# KiCad board LV_PCB.kicad_pcb
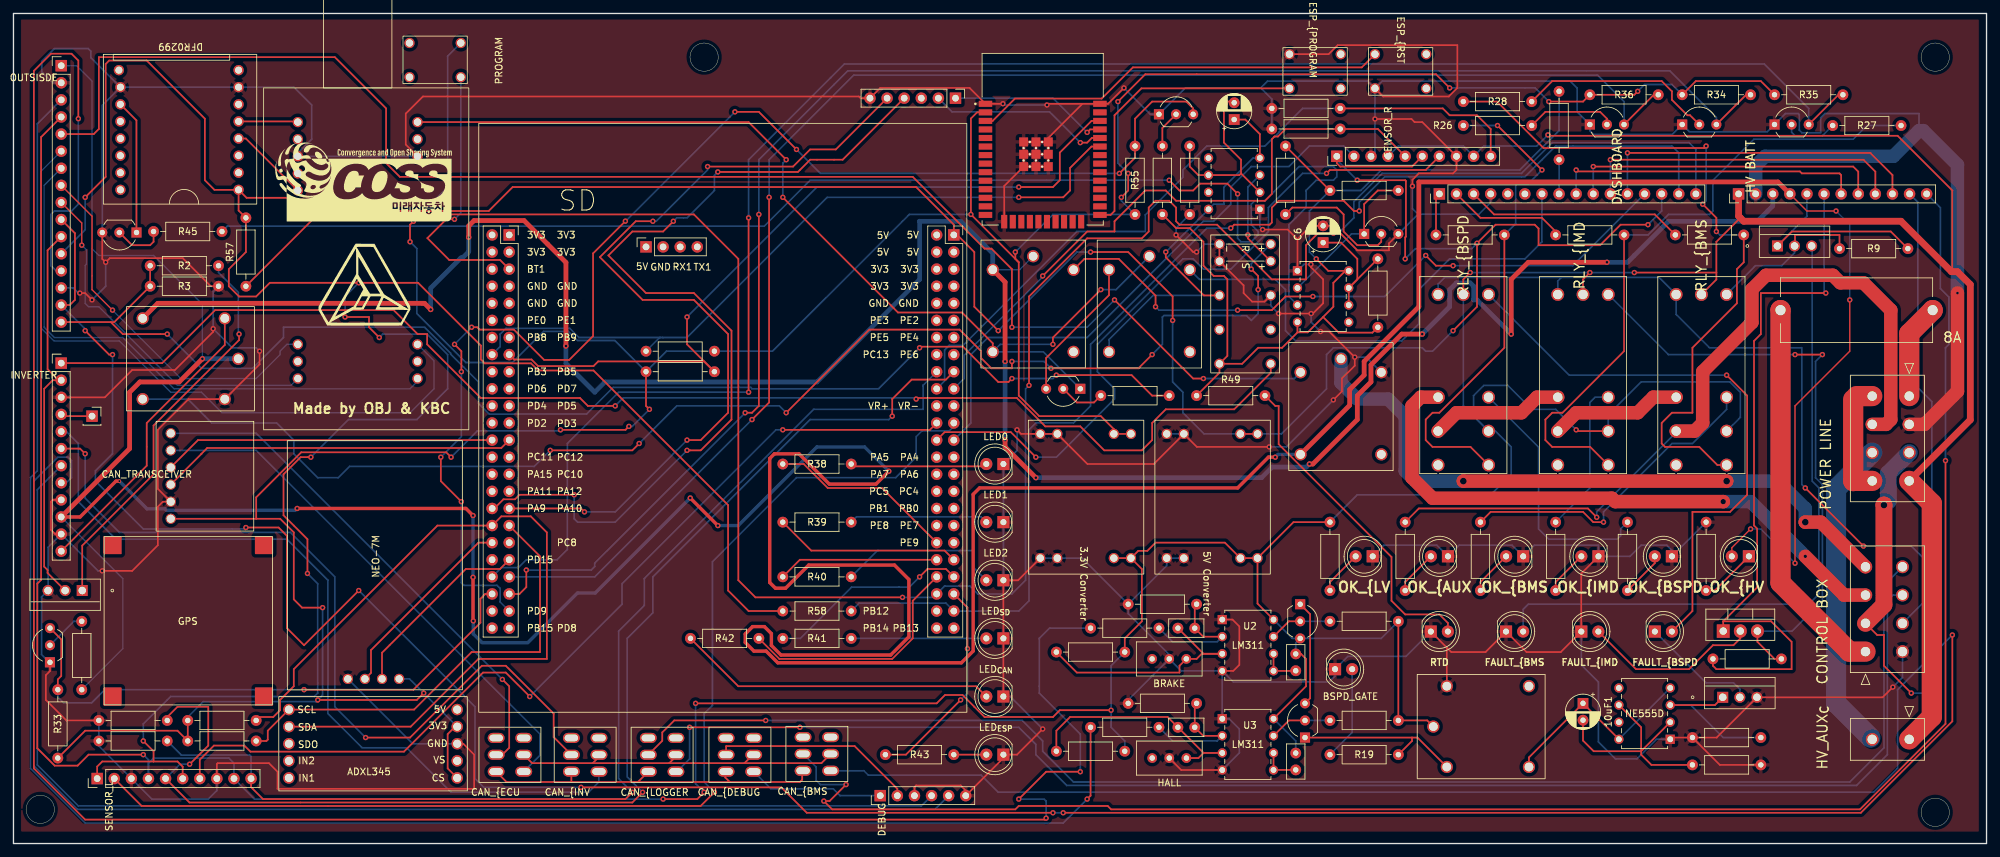
[diagram p0: board, top side]
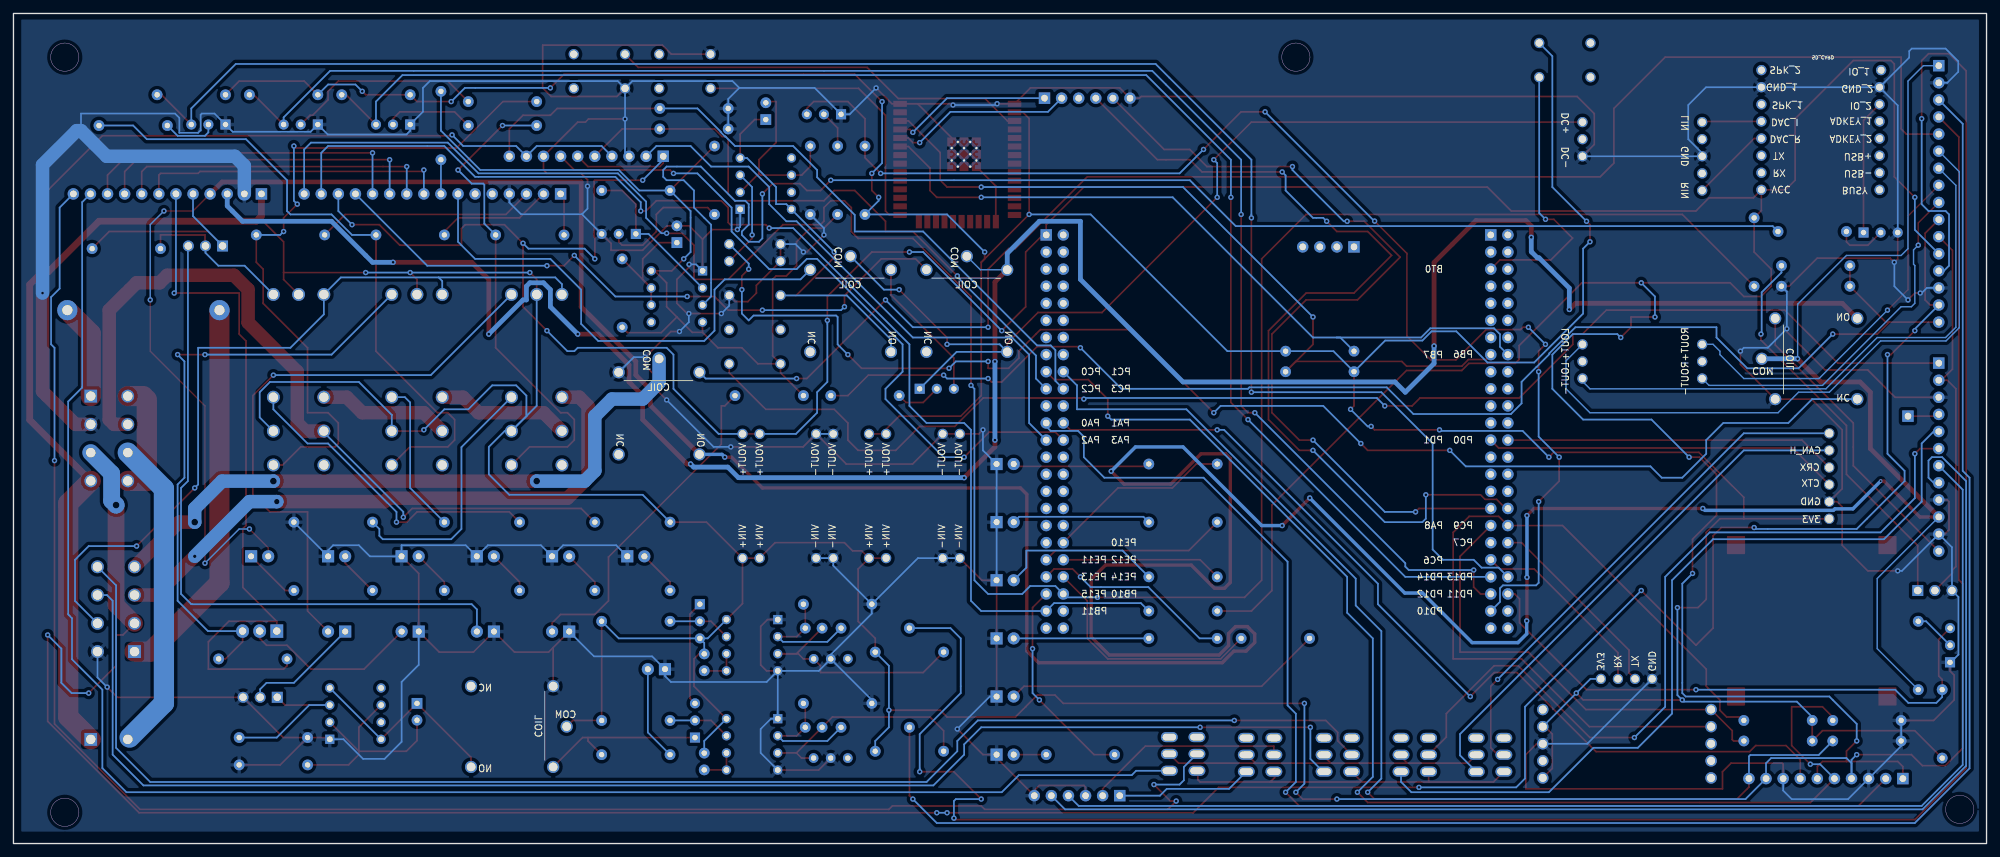
[diagram p1: board, bottom side, seen from below]

Outline 293.1 x 123.33 mm; copper layers: Top, Bottom. Coordinates in mm from the lower left corner of the outline.
Outline path: rectangle 0,123.33 293.1,0 ; circle c3.98,5.08 r2.1 ; circle c102.6,116.84 r2.1 ; circle c285.48,116.84 r2.1 ; circle c285.48,4.64 r2.1

## Placement (name value [footprint] x y rotation side)
8A  8A  [Fuseholder_Cylinder-5x20mm_Stelvio-Kontek_PTF78_Horizontal_Open]  262.5 79.25 0 top
10uF1  10uF  [CP_Radial_D5.0mm_P2.50mm]  233.16 20.83 270 top
ACC  -  [ADXL345]  39.42 7.83 0 top
C1  1nF  [C_Disc_D5.0mm_W2.5mm_P2.50mm]  190.48 28.17 270 top
C2  1nF  [C_Disc_D5.0mm_W2.5mm_P2.50mm]  190.48 13.44 270 top
C3  1nF  [C_Disc_D5.0mm_W2.5mm_P2.50mm]  175.48 32 180 top
C4  1nF  [C_Disc_D5.0mm_W2.5mm_P2.50mm]  175.48 17.27 180 top
C5  100uF  [CP_Radial_D5.0mm_P2.50mm]  181.34 107.57 90 top
C6  100uF  [CP_Radial_D5.0mm_P2.50mm]  194.55 89.28 90 top
CAN_TRANSCEIVER  CAN_TRANSCEIVER  [CAN_TRANSIVER]  20.34 44.14 0 top
D1  OK_{LV  [LED_D5.0mm]  201.92 42.67 180 top
D2  FAULT_{BMS  [LED_D5.0mm]  221.72 31.5 0 top
D3  OK_{AUX  [LED_D5.0mm]  213.09 42.67 180 top
D4  OK_{BMS  [LED_D5.0mm]  224.27 42.67 180 top
D5  FAULT_{IMD  [LED_D5.0mm]  232.9 31.5 0 top
D6  OK_{IMD  [LED_D5.0mm]  235.45 42.67 180 top
D7  FAULT_{BSPD  [LED_D5.0mm]  243.82 31.5 0 top
D8  OK_{BSPD  [LED_D5.0mm]  246.36 42.67 180 top
D9  BSPD_GATE  [LED_D5.0mm]  196.32 25.91 0 top
D10  OK_{HV  [LED_D5.0mm]  257.8 42.67 180 top
D11  LED0  [LED_D5.0mm]  147.06 56.39 180 top
D12  LED1  [LED_D5.0mm]  147.06 47.75 180 top
D13  LED2  [LED_D5.0mm]  147.06 39.12 180 top
D14  LED_{SD}  [LED_D5.0mm]  147.06 30.48 180 top
D15  LED_{CAN}  [LED_D5.0mm]  147.06 21.84 180 top
D16  LED_{ESP}  [LED_D5.0mm]  147.06 13.21 180 top
D17  RTD  [LED_D5.0mm]  210.54 31.5 0 top
DASHBOARD  5267-16AX  [PinHeader_1x16_P2.54mm_Vertical]  211.82 96.52 90 top
DEBUG  5267-06AX  [PinHeader_1x06_P2.54mm_Vertical]  128.76 7.11 90 top
G***  LOGO  [LOGO12121212]  52.56 83.06 0 top
G***#2  LOGO  [auto big]  51.93 98.3 0 top
GPS  GPS  [ANTENA]  13.47 20.59 0 top
HV BATT  5267-12AX  [PinHeader_1x12_P2.54mm_Vertical]  256.26 96.52 90 top
INVERTER  5267-12AX  [PinHeader_1x12_P2.54mm_Vertical]  7.1 71.38 0 top
J3  CONTROL BOX  [5566-08]  275.12 28.52 90 top
J4  POWER LINE  [5566-08]  281.62 66.48 270 top
J6  HV_AUX_{C}  [5566-02A]  281.62 15.48 270 top
J11  Conn_01x06_Male  [PinHeader_1x06_P2.54mm_Vertical]  139.94 110.74 270 top
J12  Conn_01x01_Male  [PinSocket_1x01_P2.54mm_Vertical]  11.67 63.5 0 top
K1  HR702NH-DC12V  [HR702]  208 9.1 0 top
K2  HR702NH-DC12V  [HR702]  188.92 74.94 270 top
K3  HR702NH-DC12V  [HR702]  36.32 80.3 180 top
K4  HR702NH-DC12V  [HR702]  143.2 90.18 270 top
K5  HR702NH-DC12V  [HR702]  160.47 90.18 270 top
K6  HR90L2_12V  [HR90L2]  177.86 90.42 270 top
OUTSISDE  5267-16AX  [PinHeader_1x16_P2.54mm_Vertical]  7.1 115.57 0 top
PROGRAM  PROGRAM  [TACT_SWITCH]  70.95 112.9 90 top
Q1  IRF640  [IRF640NPBF]  10.22 37.59 180 top
Q2  IRF640  [IRF640NPBF]  262.04 88.79 0 top
Q3  IRF9540N  [TO-220-3_Vertical]  253.98 31.57 0 top
Q4  IRF640  [IRF640NPBF]  253.91 21.73 0 top
Q5  2N3904  [TO-92_Inline_Wide]  191.14 35.56 270 top
Q6  2N3904  [TO-92_Inline_Wide]  191.86 15.75 90 top
Q7  2N3904  [TO-92_Inline_Wide]  5.42 26.92 90 top
Q8  2N3904  [TO-92_Inline_Wide]  247.89 106.83 0 top
Q9  2N3904  [TO-92_Inline_Wide]  261.6 106.83 0 top
Q10  2N3904  [TO-92_Inline_Wide]  234.17 106.83 0 top
Q11  2N3904  [TO-92_Inline_Wide]  158.48 67.56 180 top
Q12  2N3904  [TO-92_Inline_Wide]  18.27 90.78 180 top
Q13  2N3904  [TO-92_Inline_Wide]  200.64 90.57 0 top
Q14  2N3904  [TO-92_Inline_Wide]  170.16 108.35 0 top
R1  1k  [R_Axial_DIN0207_L6.3mm_D2.5mm_P10.16mm_Horizontal]  195.56 47.75 270 top
R2  10k  [R_Axial_DIN0207_L6.3mm_D2.5mm_P10.16mm_Horizontal]  30.46 85.85 180 top
R3  10k  [R_Axial_DIN0207_L6.3mm_D2.5mm_P10.16mm_Horizontal]  30.46 82.8 180 top
R4  1k  [R_Axial_DIN0207_L6.3mm_D2.5mm_P10.16mm_Horizontal]  206.74 47.75 270 top
R5  100  [R_Axial_DIN0207_L6.3mm_D2.5mm_P10.16mm_Horizontal]  22.84 18.29 180 top
R6  100  [R_Axial_DIN0207_L6.3mm_D2.5mm_P10.16mm_Horizontal]  22.84 15.24 180 top
R7  100  [R_Axial_DIN0207_L6.3mm_D2.5mm_P10.16mm_Horizontal]  197.09 106.17 180 top
R8  100  [R_Axial_DIN0207_L6.3mm_D2.5mm_P10.16mm_Horizontal]  197.09 109.22 180 top
R9  240K  [R_Axial_DIN0207_L6.3mm_D2.5mm_P10.16mm_Horizontal]  281.42 88.39 180 top
R10  1k  [R_Axial_DIN0207_L6.3mm_D2.5mm_P10.16mm_Horizontal]  217.92 47.75 270 top
R11  1k  [R_Axial_DIN0207_L6.3mm_D2.5mm_P10.16mm_Horizontal]  257.03 90.42 180 top
R12  10k  [R_Axial_DIN0207_L6.3mm_D2.5mm_P10.16mm_Horizontal]  262.62 27.43 180 top
R13  1k  [R_Axial_DIN0207_L6.3mm_D2.5mm_P10.16mm_Horizontal]  229.09 47.75 270 top
R14  1k  [R_Axial_DIN0207_L6.3mm_D2.5mm_P10.16mm_Horizontal]  239.25 90.42 180 top
R15  1k  [R_Axial_DIN0207_L6.3mm_D2.5mm_P10.16mm_Horizontal]  239.76 47.75 270 top
R16  1k  [R_Axial_DIN0207_L6.3mm_D2.5mm_P10.16mm_Horizontal]  221.47 90.42 180 top
R17  200k  [R_Axial_DIN0207_L6.3mm_D2.5mm_P10.16mm_Horizontal]  249.41 15.75 0 top
R18  51k  [R_Axial_DIN0207_L6.3mm_D2.5mm_P10.16mm_Horizontal]  249.41 11.68 0 top
R19  1k  [R_Axial_DIN0207_L6.3mm_D2.5mm_P10.16mm_Horizontal]  205.72 13.21 180 top
R20  10k  [R_Axial_DIN0207_L6.3mm_D2.5mm_P10.16mm_Horizontal]  205.72 33.02 180 top
R21  10k  [R_Axial_DIN0207_L6.3mm_D2.5mm_P10.16mm_Horizontal]  195.56 18.29 0 top
R22  4M  [R_Axial_DIN0207_L6.3mm_D2.5mm_P10.16mm_Horizontal]  175.75 35.56 180 top
R23  4M  [R_Axial_DIN0207_L6.3mm_D2.5mm_P10.16mm_Horizontal]  175.75 20.83 180 top
R24  10k  [R_Axial_DIN0207_L6.3mm_D2.5mm_P10.16mm_Horizontal]  10.14 22.86 90 top
R25  1k  [R_Axial_DIN0207_L6.3mm_D2.5mm_P10.16mm_Horizontal]  251.44 37.59 90 top
R26  10k  [R_Axial_DIN0207_L6.3mm_D2.5mm_P10.16mm_Horizontal]  215.38 106.68 0 top
R27  10k  [R_Axial_DIN0207_L6.3mm_D2.5mm_P10.16mm_Horizontal]  280.4 106.68 180 top
R28  10k  [R_Axial_DIN0207_L6.3mm_D2.5mm_P10.16mm_Horizontal]  215.38 110.24 0 top
R29  10k  [R_Axial_DIN0207_L6.3mm_D2.5mm_P10.16mm_Horizontal]  170.16 32 180 top
R30  10k  [R_Axial_DIN0207_L6.3mm_D2.5mm_P10.16mm_Horizontal]  154.92 28.45 0 top
R31  10k  [R_Axial_DIN0207_L6.3mm_D2.5mm_P10.16mm_Horizontal]  154.92 13.72 0 top
R32  10k  [R_Axial_DIN0207_L6.3mm_D2.5mm_P10.16mm_Horizontal]  170.16 17.27 180 top
R33  1k  [R_Axial_DIN0207_L6.3mm_D2.5mm_P10.16mm_Horizontal]  6.59 22.86 270 top
R34  1k  [R_Axial_DIN0207_L6.3mm_D2.5mm_P10.16mm_Horizontal]  258.05 111.25 180 top
R35  1k  [R_Axial_DIN0207_L6.3mm_D2.5mm_P10.16mm_Horizontal]  271.76 111.25 180 top
R36  1k  [R_Axial_DIN0207_L6.3mm_D2.5mm_P10.16mm_Horizontal]  244.33 111.25 180 top
R37  10k  [R_Axial_DIN0207_L6.3mm_D2.5mm_P10.16mm_Horizontal]  171.69 66.55 180 top
R38  100  [R_Axial_DIN0207_L6.3mm_D2.5mm_P10.16mm_Horizontal]  114.28 56.39 0 top
R39  100  [R_Axial_DIN0207_L6.3mm_D2.5mm_P10.16mm_Horizontal]  114.28 47.75 0 top
R40  100  [R_Axial_DIN0207_L6.3mm_D2.5mm_P10.16mm_Horizontal]  114.28 39.62 0 top
R41  100  [R_Axial_DIN0207_L6.3mm_D2.5mm_P10.16mm_Horizontal]  114.28 30.48 0 top
R42  100  [R_Axial_DIN0207_L6.3mm_D2.5mm_P10.16mm_Horizontal]  110.73 30.48 180 top
R43  100  [R_Axial_DIN0207_L6.3mm_D2.5mm_P10.16mm_Horizontal]  129.52 13.21 0 top
R44  10k  [R_Axial_DIN0207_L6.3mm_D2.5mm_P10.16mm_Horizontal]  174.74 93.47 90 top
R45  10k  [R_Axial_DIN0207_L6.3mm_D2.5mm_P10.16mm_Horizontal]  20.81 90.93 0 top
R46  3.3k  [R_Axial_DIN0207_L6.3mm_D2.5mm_P10.16mm_Horizontal]  202.68 86.87 270 top
R47  10k  [R_Axial_DIN0207_L6.3mm_D2.5mm_P10.16mm_Horizontal]  170.67 93.47 90 top
R48  1k  [R_Axial_DIN0207_L6.3mm_D2.5mm_P10.16mm_Horizontal]  229.6 111.76 270 top
R49  1k  [R_Axial_DIN0207_L6.3mm_D2.5mm_P10.16mm_Horizontal]  175.75 66.55 0 top
R50  4.7k  [R_Axial_DIN0207_L6.3mm_D2.5mm_P10.16mm_Horizontal]  205.72 97.03 180 top
R51  10k  [R_Axial_DIN0207_L6.3mm_D2.5mm_P10.16mm_Horizontal]  188.96 93.47 90 top
R52  2.7k  [R_Axial_DIN0207_L6.3mm_D2.5mm_P10.16mm_Horizontal]  93.96 73.15 0 top
R53  2.7k  [R_Axial_DIN0207_L6.3mm_D2.5mm_P10.16mm_Horizontal]  36.05 15.24 180 top
R54  2.7k  [R_Axial_DIN0207_L6.3mm_D2.5mm_P10.16mm_Horizontal]  104.12 70.1 180 top
R55  1k  [R_Axial_DIN0207_L6.3mm_D2.5mm_P10.16mm_Horizontal]  166.61 103.63 270 top
R56  2.7k  [R_Axial_DIN0207_L6.3mm_D2.5mm_P10.16mm_Horizontal]  36.05 18.29 180 top
R57  2.7k  [R_Axial_DIN0207_L6.3mm_D2.5mm_P10.16mm_Horizontal]  34.53 82.8 90 top
R58  2.7k  [R_Axial_DIN0207_L6.3mm_D2.5mm_P10.16mm_Horizontal]  124.44 34.54 180 top
RLY1  RLY_{BMS  [RT424F12]  254.49 81.58 270 top
RLY2  RLY_{IMD  [RT424F12]  236.91 81.58 270 top
RLY3  RLY_{BSPD  [RT424F12]  219.13 81.58 270 top
RV1  BRAKE  [Potentiometer_Bourns_3296W_Vertical]  174.23 27.43 0 top
RV2  HALL  [Potentiometer_Bourns_3296W_Vertical]  174.24 12.7 0 top
SENSOR_L  5267-10AX  [PinHeader_1x10_P2.54mm_Vertical]  12.44 9.65 90 top
SENSOR_R  5267-10AX  [PinHeader_1x10_P2.54mm_Vertical]  196.58 102.11 90 top
SW2  ESP_{RST  [TACT_SWITCH]  197.75 118.24 270 top
SW3  CAN_{BMS  [TOGGLE_SWITCH]  114.72 5.38 0 top
SW4  CAN_{INV  [TOGGLE_SWITCH]  80.3 5.25 0 top
SW5  CAN_{LOGGER  [TOGGLE_SWITCH]  91.73 5.25 0 top
SW6  CAN_{ECU  [TOGGLE_SWITCH]  69.13 5.25 0 top
SW7  CAN_{DEBUG  [TOGGLE_SWITCH]  103.29 5.25 0 top
SW8  ESP_{PROGRAM  [TACT_SWITCH]  185.05 118.24 270 top
U1  NE555D  [NE555P]  246.11 15.49 180 top
U2  LM311  [LM311P]  179.56 33.27 0 top
U3  LM311  [LM311P]  179.56 18.54 0 top
U5  5V Converter  [DCDC_MODULE]  167.02 63.41 270 top
U6  3.3V Converter  [DCDC_MODULE]  148.22 63.41 270 top
U8  D302  [SPK_D302]  37.16 112.27 270 top
U10  NEO-7M  [GPSV3-NE0]  69.07 22.86 90 top
U11  ESP32-WROOM-32D  [MODULE_ESP32-WROOM-32D]  152.89 104.65 0 top
U12  -  [DFR0299]  36.21 119.18 180 top
U13  LM555xN  [NE555P]  185.15 94.23 180 top
U14  LM555xN  [NE555P]  190.74 85.09 0 top
U15  STM32F407VETx  [STM32F407_HOLDER]  104.12 32 0 top

## Library data of the parts
CAN_TRANSCEIVER = -: Field4: CAN_L
J3 = -: Field4: 39281083
J4 = -: Field4: 39281083; Field5: 39281083
Q1 Q2 Q4 = -: Field4: *; Field5: TAB; Field6: *
U1 U13 U14 = -: Field4: *; Field5: *
U11 = -: MANUFACTURER: Espressif Systems; MAXIMUM_PACKAGE_HEIGHT: 3.2 mm; PARTREV: 1.9; STANDARD: Manufacturer Recommendations; Field8: ANTENNA
U12 = -: Description: DFRobot Accessories DFPlayer; Arrow Price/Stock: https://www.arrow.com/en/products/dfr0299/dfrobot?region=nac; Height: 1.7; Manufacturer_Name: DFRobot; Mouser Part Number: 426-DFR0299; Mouser Price/Stock: https://www.mouser.co.uk/ProductDetail/DFRobot/DFR0299?qs=Zcin8yvlhnPSNhqM2hweWw%3D%3D

## Footprints (pads in the part's own frame, mm; a bottom-side part is the same pattern mirrored in y, then rotated)
5566-02A
  rect 1.9x1.9 hole 1.4: 1(0,0)
  round 1.9 hole 1.4: 2(0,-5.5)
5566-08
  rect 1.9x1.9 hole 1.4: 1(0,0)
  round 1.9 hole 1.4: 2(4.2,0) 3(8.4,0) 4(12.6,0) 5(0,-5.5) 6(4.2,-5.5) 7(8.4,-5.5) 8(12.6,-5.5)
ADXL345
  round 1.7 hole 1.2: 1(26.5,9.54) 2(26.5,7) 6(26.5,4.46) 7(26.5,1.92) 8(1.5,1.92) 9(1.5,4.46) 12(1.5,7) 13(1.5,9.54) 14(1.5,12.08) 22(26.5,12.08)
C_Disc_D5.0mm_W2.5mm_P2.50mm
  round 1.6 hole 0.8: 1(0,0) 2(2.5,0)
CAN_TRANSIVER
  round 1.524 hole 1.2: 1(3.023,4.111) 2(3.023,6.651) 3(3.023,9.191) 4(3.023,11.731) 5(3.023,14.271) 6(3.023,16.811)
CP_Radial_D5.0mm_P2.50mm
  rect 1.6x1.6 hole 0.8: 1(0,0)
  round 1.6 hole 0.8: 2(2.5,0)
DCDC_MODULE
  round 1.524 hole 1.1: 1(21,17.78) 1(21,15.24) 2(21,6.84) 2(21,4.3) 3(2.54,17.78) 3(2.54,15.24) 4(2.54,6.84) 4(2.54,4.3)
DFR0299
  round 1.524 hole 1.05: 1(2.769,22.055) 2(2.769,19.515) 3(2.769,16.975) 4(2.769,14.435) 5(2.769,11.895) 6(2.769,9.355) 7(2.769,6.815) 8(2.769,4.275) 9(20.549,4.275) 10(20.32,6.815) 11(20.32,9.355) 12(20.32,11.895) 13(20.32,14.435) 14(20.32,16.975) 15(20.32,19.515) 16(20.32,22.055)
Fuseholder_Cylinder-5x20mm_Stelvio-Kontek_PTF78_Horizontal_Open
  round 3 hole 1.5: 1(0,0) 2(22.6,0)
GPSV3-NE0
  round 1.524 hole 1.1: 1(1.6,11.78) 2(1.6,14.32) 3(1.6,16.86) 4(1.6,19.4)
HR90L2
  round 1.524 hole 1.1: 1(1.36,8.91) 2(3.9,8.91) 4(8.98,8.91) 6(14.06,8.91) 8(19.14,8.91) 9(19.14,1.29) 11(14.06,1.29) 13(8.98,1.29) 15(3.9,1.29) 16(1.36,1.29)
HR702
  round 1.8 hole 1.3: 1(17.128,14.275) 2(4.928,2.275) 6(4.928,14.275) 7(2.928,8.275) 14(17.128,2.275)
IRF640NPBF
  rect 1.626x1.626 hole 1.118: 1(0,0)
  round 1.626 hole 1.118: 2(2.54,0) 3(5.08,0)
LED_D5.0mm
  rect 1.8x1.8 hole 0.9: 1(0,0)
  round 1.8 hole 0.9: 2(2.54,0)
LM311P
  rect 1.372x1.372 hole 0.864: 1(0,0)
  round 1.372 hole 0.864: 2(0,-2.54) 3(0,-5.08) 4(0,-7.62) 5(7.62,-7.62) 6(7.62,-5.08) 7(7.62,-2.54) 8(7.62,0)
MODULE_ESP32-WROOM-32D
  rect 2x0.9 smd: 1(-8.5,5.26) 2(-8.5,3.99) 3(-8.5,2.72) 4(-8.5,1.45) 5(-8.5,0.18) 6(-8.5,-1.09) 7(-8.5,-2.36) 8(-8.5,-3.63) 9(-8.5,-4.9) 10(-8.5,-6.17) 11(-8.5,-7.44) 12(-8.5,-8.71) 13(-8.5,-9.98) 14(-8.5,-11.25) 25(8.5,-11.25) 26(8.5,-9.98) 27(8.5,-8.71) 28(8.5,-7.44) 29(8.5,-6.17) 30(8.5,-4.9) 31(8.5,-3.63) 32(8.5,-2.36) 33(8.5,-1.09) 34(8.5,0.18) 35(8.5,1.45) 36(8.5,2.72) 37(8.5,3.99) 38(8.5,5.26)
  rect 0.9x2 smd: 15(-5.715,-12.25) 16(-4.445,-12.25) 17(-3.175,-12.25) 18(-1.905,-12.25) 19(-0.635,-12.25) 20(0.635,-12.25) 21(1.905,-12.25) 22(3.175,-12.25) 23(4.445,-12.25) 24(5.715,-12.25)
  rect 1.33x1.33 smd: 39_1(-2.835,-0.405) 39_2(-1,-0.405) 39_3(0.835,-0.405) 39_4(-2.835,-2.24) 39_5(-1,-2.24) 39_6(0.835,-2.24) 39_7(-2.835,-4.075) 39_8(-1,-4.075) 39_9(0.835,-4.075)
  round 0.4 hole 0.3: 39_10(-1.917,-0.405) 39_11(-0.083,-0.405) 39_12(-2.835,-1.323) 39_13(-1,-1.323) 39_14(0.835,-1.323) 39_15(-1.917,-2.24) 39_16(-0.083,-2.24) 39_17(-2.835,-3.158) 39_18(-1,-3.158) 39_19(0.835,-3.158) 39_20(-1.917,-4.075) 39_21(-0.083,-4.075)
NE555P
  rect 1.372x1.372 hole 0.864: 1(0,0)
  round 1.372 hole 0.864: 2(0,-2.54) 3(0,-5.08) 4(0,-7.62) 5(7.62,-7.62) 6(7.62,-5.08) 7(7.62,-2.54) 8(7.62,0)
PinHeader_1x06_P2.54mm_Vertical
  rect 1.7x1.7 hole 1: 1(0,0)
  oval 1.7x1.7 hole 1: 2(0,-2.54) 3(0,-5.08) 4(0,-7.62) 5(0,-10.16) 6(0,-12.7)
PinHeader_1x10_P2.54mm_Vertical
  rect 1.7x1.7 hole 1: 1(0,0)
  oval 1.7x1.7 hole 1: 2(0,-2.54) 3(0,-5.08) 4(0,-7.62) 5(0,-10.16) 6(0,-12.7) 7(0,-15.24) 8(0,-17.78) 9(0,-20.32) 10(0,-22.86)
PinHeader_1x12_P2.54mm_Vertical
  rect 1.7x1.7 hole 1: 1(0,0)
  oval 1.7x1.7 hole 1: 2(0,-2.54) 3(0,-5.08) 4(0,-7.62) 5(0,-10.16) 6(0,-12.7) 7(0,-15.24) 8(0,-17.78) 9(0,-20.32) 10(0,-22.86) 11(0,-25.4) 12(0,-27.94)
PinHeader_1x16_P2.54mm_Vertical
  rect 1.7x1.7 hole 1: 1(0,0)
  oval 1.7x1.7 hole 1: 2(0,-2.54) 3(0,-5.08) 4(0,-7.62) 5(0,-10.16) 6(0,-12.7) 7(0,-15.24) 8(0,-17.78) 9(0,-20.32) 10(0,-22.86) 11(0,-25.4) 12(0,-27.94) 13(0,-30.48) 14(0,-33.02) 15(0,-35.56) 16(0,-38.1)
PinSocket_1x01_P2.54mm_Vertical
  rect 1.7x1.7 hole 1: 1(0,0)
Potentiometer_Bourns_3296W_Vertical
  round 1.44 hole 0.8: 1(0,0) 2(-2.54,0) 3(-5.08,0)
R_Axial_DIN0207_L6.3mm_D2.5mm_P10.16mm_Horizontal
  round 1.6 hole 0.8: 1(0,0)
  oval 1.6x1.6 hole 0.8: 2(10.16,0)
RT424F12
  round 1.905 hole 1.397: 1(0,-7.5) 2(0,0) 3(0,-3.75) 4(20.3,0) 5(15.26,0) 6(25.34,0) 7(20.3,-7.5) 8(15.26,-7.5) 9(25.34,-7.5)
SPK_D302
  round 1.524 hole 1.1: 1(5.08,22.86) 2(10.16,22.86) 3(38.1,22.86) 4(43.18,22.86) 5(43.18,5.08) 6(38.1,5.08) 7(15.24,5.08) 8(10.16,5.08) 9(5.08,5.08) x(7.62,22.86) x(7.62,5.08) x(12.7,5.08) x(40.64,22.86) x(40.64,5.08)
STM32F407_HOLDER
  oval 1.7x1.7 hole 1: 15(35.562,38.1) 16(33.022,38.1) 17(35.562,35.56) 18(33.022,35.56) 23(35.562,30.48) 24(33.022,30.48) 25(35.562,27.94) 26(33.022,27.94) 41(33.022,12.7) 42(35.562,10.16) 43(33.022,10.16) 44(35.562,7.62) 45(33.022,7.62) 46(35.562,5.08) 47(33.022,5.08) 48(35.562,2.54) 57(-30.48,2.54) 58(-33.02,5.08) 59(-30.48,5.08) 60(-33.02,7.62) 61(-30.48,7.62) 63(-30.48,10.16) 64(-33.02,12.7) 66(-33.02,15.24) 67(-30.48,15.24) 68(-33.02,17.78) 69(-30.48,17.78) 81(-33.02,27.94) 82(-30.48,27.94) 92(-33.02,40.64) 93(-30.48,40.64) 94(-30.48,53.34) 111(-7.62,56.648) 112(-5.08,56.648) 113(-2.54,56.648) X(-33.02,58.42) X(-33.02,55.88) X(-33.02,53.34) X(-33.02,50.8) X(-33.02,48.26) X(-33.02,45.72) X(-33.02,43.18) X(-33.02,38.1) X(-33.02,35.56) X(-33.02,33.02) X(-33.02,30.48) X(-33.02,25.4) X(-33.02,22.86) X(-33.02,20.32) X(-33.02,10.16) X(-33.02,2.54) X(-33.02,0) X(-30.48,55.88) X(-30.48,50.8) X(-30.48,48.26) X(-30.48,45.72) X(-30.48,43.18) X(-30.48,38.1) X(-30.48,35.56) X(-30.48,33.02) X(-30.48,30.48) X(-30.48,25.4) X(-30.48,22.86) X(-30.48,20.32) X(-30.48,12.7) X(-30.48,0) X(33.022,58.42) X(33.022,55.88) X(33.022,53.34) X(33.022,50.8) X(33.022,48.26) X(33.022,45.72) X(33.022,43.18) X(33.022,40.64) X(33.022,33.02) X(33.022,25.4) X(33.022,22.86) X(33.022,20.32) X(33.022,17.78) X(33.022,15.24) X(33.022,2.54) X(33.022,0) X(35.562,55.88) X(35.562,53.34) X(35.562,50.8) X(35.562,48.26) X(35.562,45.72) X(35.562,43.18) X(35.562,40.64) X(35.562,33.02) X(35.562,25.4) X(35.562,22.86) X(35.562,20.32) X(35.562,17.78) X(35.562,15.24) X(35.562,12.7) X(35.562,0)
  rect 1.7x1.7 hole 1: 100(35.562,58.42) 110(-10.16,56.648) X(-30.48,58.42)
TACT_SWITCH
  round 1.524 hole 1.1: (0.965,12.116) (6.045,12.116) 1(6.045,4.496) 2(0.965,4.496)
TO-92_Inline_Wide
  rect 1.5x1.5 hole 0.8: 1(0,0)
  round 1.5 hole 0.8: 2(2.54,0) 3(5.08,0)
TO-220-3_Vertical
  rect 1.905x2 hole 1.1: 1(0,0)
  oval 1.905x2 hole 1.1: 2(2.54,0) 3(5.08,0)
TOGGLE_SWITCH
  oval 2.5x1.5 hole 2x1: 1(2.575,5.435) 2(2.575,10.435) 3(2.575,7.935) 4(6.675,7.935) 5(6.675,10.435) 6(6.675,5.435)

## Nets
/3.3V: ACC.1 ACC.7 CAN_TRANSCEIVER.1 PROGRAM.1 R33.2 R34.2 R35.2 R36.2 R52.2 R53.2 R54.2 R55.2 R56.2 U6.3 U10.1 U11.2
ACC_{SCL}: ACC.14 R53.1 U15.67
ACC_{SDA}: ACC.13 R56.1 U15.66
ADC2_IN0: SENSOR_L.2 U15.23
ADC2_IN1: SENSOR_L.7 U15.24
ADC2_IN2: SENSOR_R.2 U15.25
ADC2_IN3: SENSOR_R.7 U15.26
ADC3_IN10: R5.1 SENSOR_L.5 U15.15
ADC3_IN11: R6.1 SENSOR_L.10 U15.16
ADC3_IN12: R7.1 SENSOR_R.5 U15.17
ADC3_IN13: R8.1 SENSOR_R.10 U15.18
AIR+: HV BATT.3 K3.14 K4.2 K4.7
AIR-: D10.2 HV BATT.4 INVERTER.10 K2.14 K3.7 OUTSISDE.1 R24.1
AIR_DRIVE: INVERTER.12 K3.2
BMS_FAULT: HV BATT.5 Q2.1 R9.1
BMS_Pin: Q8.3 R34.1 U15.59
BOTS_{1}: J3.2 J4.3 OUTSISDE.10 OUTSISDE.15
BOTS_{2}: C1.1 C2.1 HV BATT.1 J4.4 J6.1 K1.7 OUTSISDE.4 Q5.3 R1.1 R20.1 R21.2 R30.2 R31.2 RLY1.3 RLY1.4 RLY2.3 RLY2.4 RLY3.3 RLY3.4 SENSOR_L.4 SENSOR_L.9 SENSOR_R.4 SENSOR_R.9 U2.8 U3.8 U5.1 U6.1
BRAKE_LIGHT-: INVERTER.2 OUTSISDE.11 Q1.2
BRAKE_SW_{2}: OUTSISDE.16 R2.2 R3.2 R37.1
BRAKE_{GND}: ACC.2 C6.2 CAN_TRANSCEIVER.2 D1.1 D2.1 D3.1 D4.1 D5.1 D6.1 D8.1 D9.1 D11.1 D12.1 D13.1 D14.1 D15.1 D16.1 D17.1 DASHBOARD.4 DEBUG.3 DEBUG.6 HV BATT.2 INVERTER.3 INVERTER.9 INVERTER.11 J3.5 J4.2 J11.6 K1.6 K2.6 K3.6 K6.4 K6.15 K6.16 OUTSISDE.2 OUTSISDE.14 Q1.3 Q4.3 Q7.1 Q8.1 Q9.1 Q10.1 Q12.3 Q13.3 Q14.1 R3.1 R5.2 R6.2 R7.2 R8.2 R17.1 R18.2 R22.2 R23.2 R25.2 R44.1 RV1.2 RV2.2 SENSOR_L.3 SENSOR_L.8 SENSOR_R.3 SENSOR_R.8 SW2.1 SW8.2 U1.1 U2.1 U2.4 U3.1 U3.4 U5.2 U5.4 U6.2 U6.4 U8.2 U8.8 U10.4 U11.1 U11.15 U11.38 U11.39_1 U11.39_2 U11.39_3 U11.39_4 U11.39_5 U11.39_6 U11.39_7 U11.39_8 U11.39_9 U11.39_10 U11.39_11 U11.39_12 U11.39_13 U11.39_14 U11.39_15 U11.39_16 U11.39_17 U11.39_18 U11.39_19 U11.39_20 U11.39_21 U12.7 U12.10 U13.1 U14.1
BRAKE_{PWR}: DASHBOARD.14 OUTSISDE.12 R57.2 R58.2 SENSOR_L.1 SENSOR_L.6 SENSOR_R.1 SENSOR_R.6 U5.3 U12.1 U15.100
BRAKE_{SIG}: OUTSISDE.13 R29.2
BSPD_Pin: Q10.3 R36.1 U15.61
CAN1_{RX}: CAN_TRANSCEIVER.4 U15.81
CAN1_{TX}: CAN_TRANSCEIVER.3 U15.82
CAN_H_{BMS}: HV BATT.11 SW3.6
CAN_H_{DEBUG}: DEBUG.1 SW7.6
CAN_H_{INV}: INVERTER.5 SW4.6
CAN_H_{LOGGER}: J3.7 SW5.6
CAN_L_{BMS}: HV BATT.12 SW3.3
CAN_L_{DEBUG}: DEBUG.2 SW7.3
CAN_L_{INV}: INVERTER.6 SW4.3
CAN_L_{LOGGER}: J3.8 SW5.3
ESP_RX: J11.2 U11.34
ESP_TX: J11.1 U11.35
ESP_{SCL}: R54.1 U11.36 U15.93
ESP_{SDA}: R52.1 U11.33 U15.92
FORWARD_ENABLE: INVERTER.1 K6.8
GPS_{RX}: U10.2 U15.63
GPS_{TX}: U10.3 U15.64
HALL_{SIG}: OUTSISDE.3 R32.2
HV_ACTIVE_Pin: Q7.3 R33.1 U15.58
HV_AUX_{L1}: J4.5 J4.8
HV_AUX_{L2}: J4.6 R4.1 RLY1.7
HV_AUX_{R1}: J4.7 J6.2
HV_MASTER_{1}: J3.3 RLY3.8
HV_MASTER_{2}: J3.4 K2.7
HVD_{2}: K2.2 OUTSISDE.5
IMD_FAULT: HV BATT.6 Q3.1 R12.2
IMD_Pin: Q9.3 R35.1 U15.60
LATCH_{BMS}: DASHBOARD.3 R11.2
LATCH_{BSPD}: DASHBOARD.1 R16.2
LATCH_{IMD}: DASHBOARD.2 R14.2
LCD_{SCL}: DASHBOARD.16 R57.1 U15.47
LCD_{SDA}: DASHBOARD.15 R58.1 U15.48
LV+: 8A.2 J4.1
LV_MASTER_{1}: 8A.1 J3.1
RESET_{2}: J3.6 RLY1.1 RLY2.1 RLY3.1
RTD_ACTIVE_Pin: Q14.3 R55.1 U15.57
RTD_BUTTON: DASHBOARD.7 K5.6
RTD_LED: DASHBOARD.8 R48.2
RTD_RESET: K3.1 K6.1
SPK_L+: OUTSISDE.6 U8.3
SPK_L-: OUTSISDE.7 U8.4
SPK_R+: OUTSISDE.8 U8.6
SPK_R-: OUTSISDE.9 U8.5
STM_{RX}: J11.5 U15.69
STM_{TX}: J11.4 U15.68
SW_{RTD_EN}: DASHBOARD.13 K4.6
Net-(10uF1-Pad1): 10uF1.1 K1.14 U1.4 U1.8
Net-(10uF1-Pad2): 10uF1.2 R18.1 U1.2 U1.6
Net-(C1-Pad2): C1.2 U2.5 U2.6
Net-(C2-Pad2): C2.2 U3.5 U3.6
Net-(C3-Pad1): C3.1 R22.1 R29.1 U2.2
Net-(C3-Pad2): C3.2 R30.1 RV1.1 U2.3
Net-(C4-Pad1): C4.1 R23.1 R32.1 U3.2
Net-(C4-Pad2): C4.2 R31.1 RV2.1 U3.3
Net-(C5-Pad1): C5.1 K5.14 K6.13 U13.4 U13.8
Net-(C5-Pad2): C5.2 R44.2 U13.2 U13.6
Net-(C6-Pad1): C6.1 R46.1 U14.6 U14.7
Net-(D1-Pad2): D1.2 R1.2
Net-(D2-Pad2): D2.2 Q2.3
Net-(D3-Pad2): D3.2 R4.2
Net-(D4-Pad2): D4.2 R10.2
Net-(D5-Pad2): D5.2 Q3.2
Net-(D6-Pad2): D6.2 R13.2
Net-(D7-Pad1): D7.1 Q4.2
Net-(D7-Pad2): D7.2 RLY3.2
Net-(D8-Pad2): D8.2 R15.2
Net-(D9-Pad2): D9.2 R19.2
Net-(D10-Pad1): D10.1 R25.1
Net-(D11-Pad2): D11.2 R38.2
Net-(D12-Pad2): D12.2 R39.2
Net-(D13-Pad2): D13.2 R40.2
Net-(D14-Pad2): D14.2 R41.2
Net-(D15-Pad2): D15.2 R42.2
Net-(D16-Pad2): D16.2 R43.2
Net-(D17-Pad2): D17.2 R49.2
Net-(J1-Pad4): INVERTER.4 J12.1
Net-(J1-Pad7): DEBUG.4 INVERTER.7
Net-(J1-Pad8): DEBUG.5 INVERTER.8
Net-(J2-Pad7): DASHBOARD.9 HV BATT.7
Net-(J2-Pad8): DASHBOARD.10 HV BATT.8
Net-(J2-Pad9): DASHBOARD.11 HV BATT.9
Net-(J2-Pad10): DASHBOARD.12 HV BATT.10
Net-(K1-Pad2): K1.2 Q6.1 R19.1
Net-(K4-Pad14): K4.14 K5.7 Q11.1 U8.1
Net-(K5-Pad2): K5.2 Q11.3
Net-(K6-Pad2): K6.2 U13.3
Net-(K6-Pad9): K6.9 R46.2 R47.1 R48.1 R49.1 R50.2 R51.2 U14.4 U14.8
Net-(Q1-Pad1): Q1.1 R2.1
Net-(Q2-Pad2): Q2.2 R9.2 RLY1.2
Net-(Q3-Pad3): Q3.3 R12.1 RLY2.2
Net-(Q4-Pad1): Q4.1 R17.2 U1.3
Net-(Q5-Pad1): Q5.1 Q6.3
Net-(Q5-Pad2): Q5.2 R20.2 U2.7
Net-(Q6-Pad2): Q6.2 R21.1 U3.7
Net-(Q7-Pad2): Q7.2 R24.2
Net-(Q8-Pad2): Q8.2 R28.2
Net-(Q9-Pad2): Q9.2 R27.2
Net-(Q10-Pad2): Q10.2 R26.2
Net-(Q11-Pad2): Q11.2 R37.2
Net-(Q12-Pad1): Q12.1 U12.11